# Altium PCB HeadControllerATMEL_1.PcbDoc
Units mm, origin at the board's own origin, x right, y up, seen from the top; angles counter-clockwise.
Board outline 67.02 x 26.21 mm, 2 copper layers (Top Layer, Bottom Layer); 64 components, 47 nets, 228 pads, 53 vias.
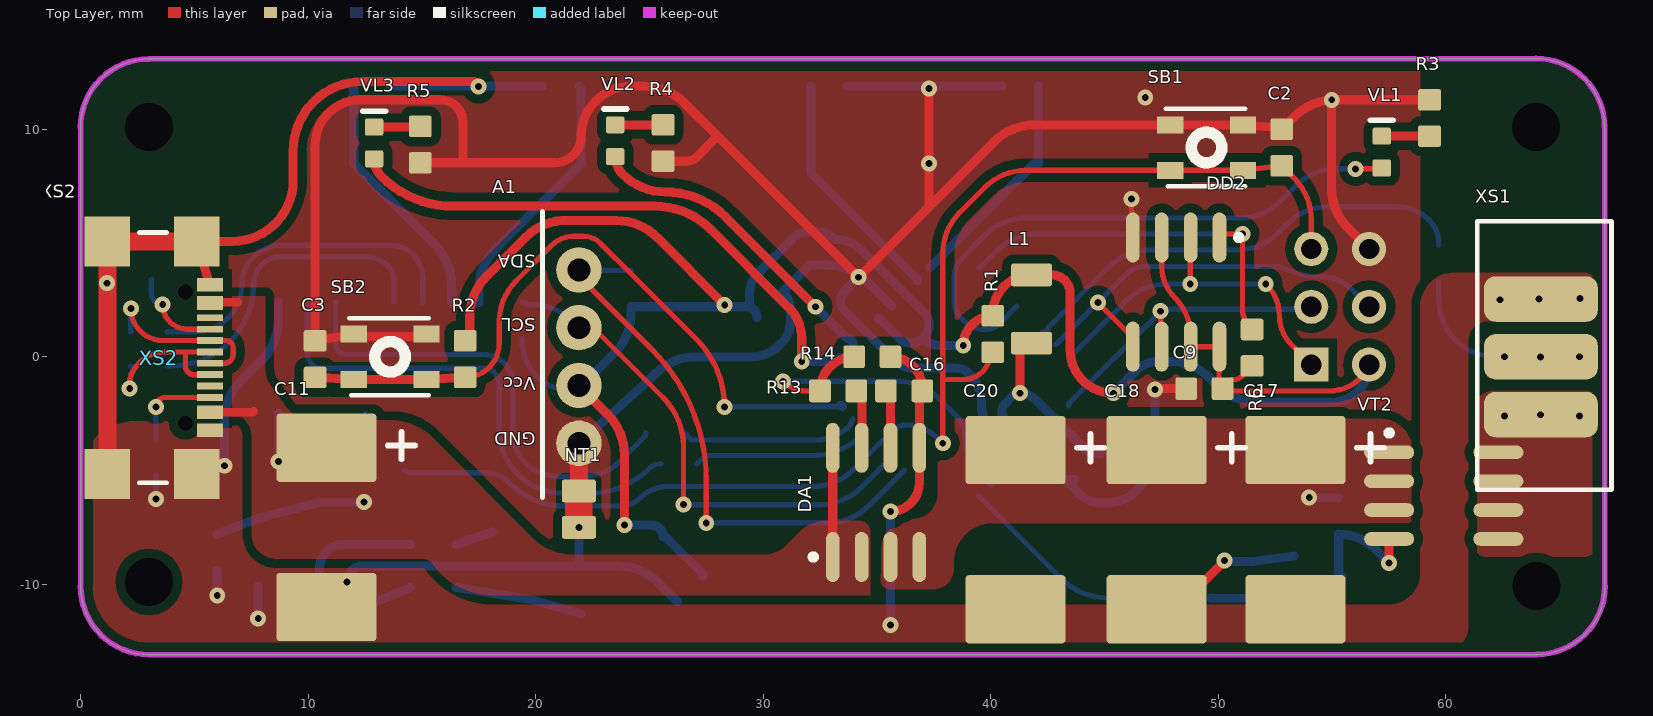
[diagram p0: Top Layer view]
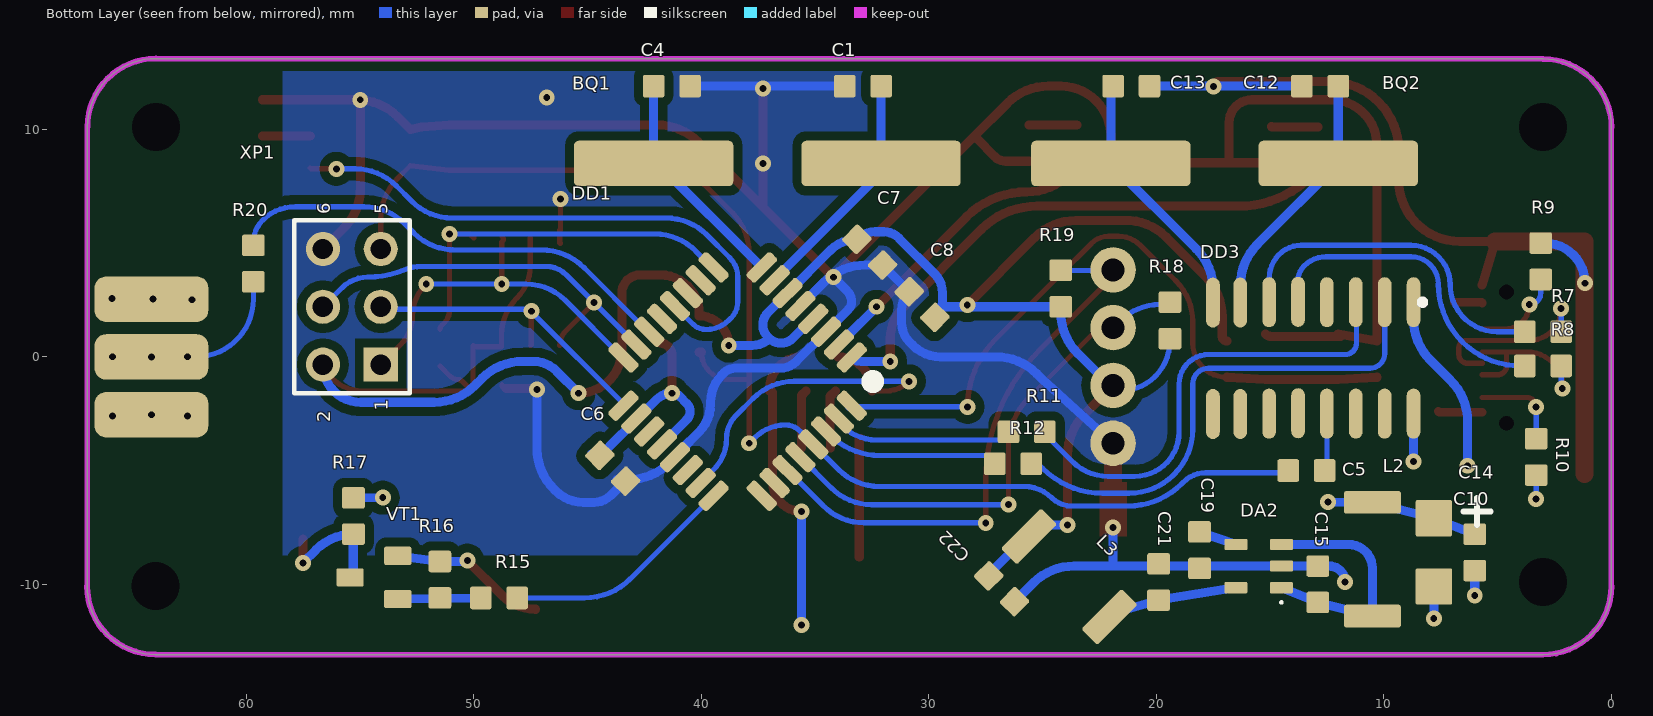
[diagram p1: Bottom Layer view, seen from below]
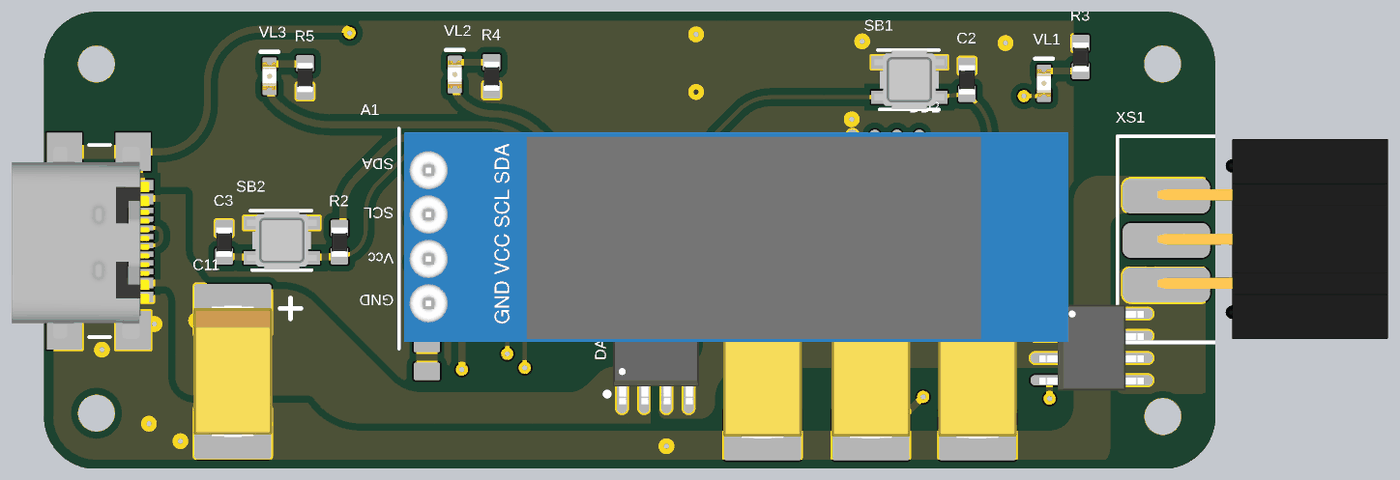
[diagram p2: 3D render of the assembled board from above, using the file's embedded part models]
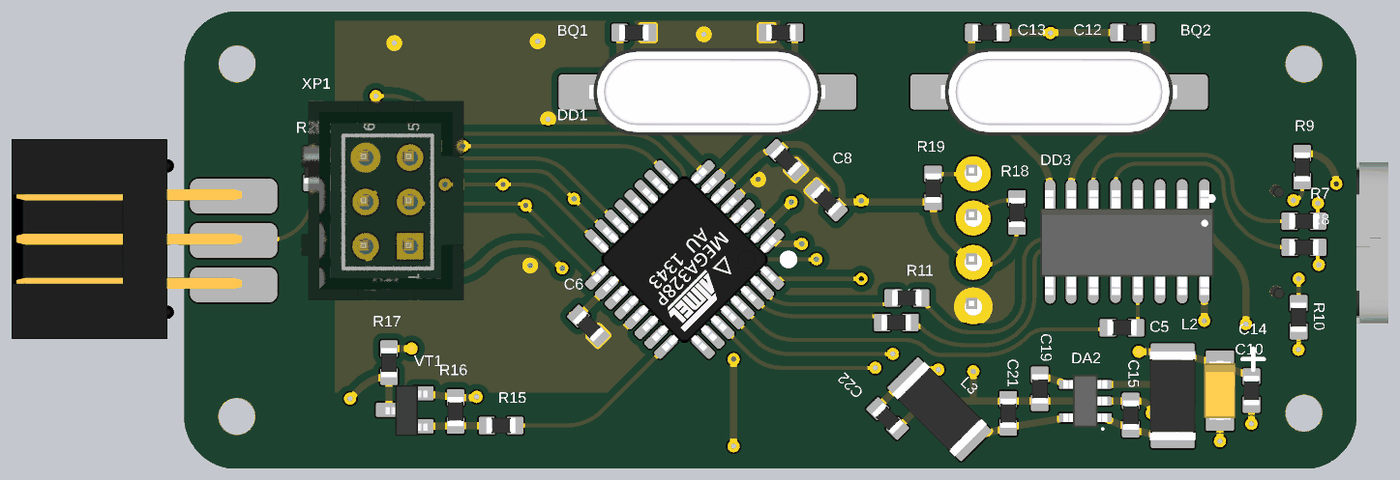
[diagram p3: 3D render of the assembled board from below, using the file's embedded part models]

## Layer stack, top to bottom
Top Solder: solder mask 0.0102, Solder Resist, Dk 3.5
Top Layer: signal copper 0.0356
Dielectric 1: dielectric 0.32, FR-4, Dk 4.8
Bottom Layer: signal copper 0.0356
Bottom Solder: solder mask 0.0102, Solder Resist, Dk 3.5

## Board outline
0,-10.088 0,10.088 -0.012,10.088 cw(c2.997,10.088) 2.997,13.097 2.997,13.103 63.985,13.103 63.985,13.115 cw(c63.985,10.106) 66.994,10.106 67,10.106 67,-10.082 67.012,-10.082 cw(c64.003,-10.082) 64.003,-13.091 63.997,-13.097 3,-13.097 cw(c3,-10.088)

## Design rules (kind name [scope] priority, off if disabled: settings)
Clearance [All] p1: gap=0.23 ignorepadtopadclearanceinfootprint=FALSE except(0.4: Arc-Poly Track-Poly SMDPad-Poly THPad-Poly Via-Poly Fill-Poly Poly-Poly)
PolygonConnect IDC [All] p1: connectstyle=Direct reliefconductorwidth=0.254 reliefentries=4 polygonreliefangle="90 Angle" airgapwidth=0.254
PolygonConnect USB [HasFootprint('USB_C')] p2: connectstyle=Direct reliefconductorwidth=0.254 reliefentries=4 polygonreliefangle="90 Angle" airgapwidth=0.254
PolygonConnect TECAP_D [HasFootprint('TANT_CAP_D(7343)')] p3: connectstyle=Direct reliefconductorwidth=0.254 reliefentries=4 polygonreliefangle="90 Angle" airgapwidth=0.254
PolygonConnect All [All] p4: thpad.connectstyle=Relief thpad.reliefconductorwidth=0.254 thpad.reliefentries=4 thpad.polygonreliefangle="90 Angle" thpad.airgapwidth=0.254 smdpad.connectstyle=Relief smdpad.reliefconductorwidth=0.254 smdpad.reliefentries=4 smdpad.polygonreliefangle="90 Angle" smdpad.airgapwidth=0.254 via.connectstyle=Direct via.reliefconductorwidth=0.254 via.reliefentries=4 via.polygonreliefangle="90 Angle" via.airgapwidth=0.254
RoutingVias [All] p1: holewidth=0.3 width=0.7 viastyle="Through Hole" minholewidth=0.3 minwidth=0.7 maxholewidth=0.3 maxwidth=0.7
SolderMaskExpansion [All] p1: expansion=0.102 istentingtop=FALSE
Width [All] p1: maxlimit=0.8 minlimit=0.23 preferedwidth=0.4
30 further rules are at their usual default settings.

## Classes and differential pairs
component class U_USB_UART: BQ2 C10 C11 C12 C13 DD3 R7 R8 R9 R10 R11 R12 XS2
component class U_power: C14 C15 C16 C17 C18 C19 C20 C21 C22 DA1 DA2 L2 L3 R13 R14 R15 R16 R17 VT1 VT2
component class U_MCU: A1 BQ1 C1 C2 C3 C4 C5 C6 C7 C8 C9 DD1 DD2 L1 R1 R2 R3 R4 R5 R6 R18 R19 R20 SB1 SB2 VL1 VL2 VL3 XP1
component class HeadController: NT1 XS1

## Components (designator, comment, footprint, x,y, rotation, side; value= is the part's Value field where it differs from the comment)
A1 "OLED 128x32 SSD1306" "OLED 128x32" 21.9,-3.8 r90 top locked
BQ1 "16МHz" BQ_HC49SM 37.1,8.5 r0 bottom
BQ2 "12МHz" BQ_HC49SM 17,8.5 r0 bottom
C1 "15pF" SMD0603(1005) 32.9,11.9 r180 bottom
C2 "0,1uF" SMD0603(1005) 52.8,9.2 r90 top
C3 "0,1uF" SMD0603(1005) 10.3,-0.1 r90 top
C4 "15pF" SMD0603(1005) 41.3,11.9 r0 bottom
C5 "0,1uF" SMD0603(1005) 13.4,-5 r180 bottom
C6 "0,1uF" SMD0603(1005) 43.9,-4.9 r225 bottom
C7 "0,1uF" SMD0603(1005) 32.6,4.6 r225 bottom
C8 "0,1uF" SMD0603(1005) 30.3,2.3 r225 bottom
C9 "1uF" SMD0603(1005) 49.4,-1.4 r180 top
C10 "0,1uF" SMD0603(1005) 6,-8.6 r90 bottom
C11 "100uF" TANT_CAP_D(7343) 10.8,-7.5 r270 top
C12 "22pF" SMD0603(1005) 12.8,11.9 r180 bottom
C13 "22pF" SMD0603(1005) 21.1,11.9 r0 bottom
C14 "10uF x 10V" TANT_CAP_A(3216) 7.8,-8.6 r270 bottom
C15 "1uF" SMD0603(1005) 12.9,-10 r90 bottom
C16 "1n" SMD0603(1005) 36.2,-1.5 r0 top
C17 "100uF" TANT_CAP_D(7343) 53.4,-7.6 r270 top
C18 "100uF" TANT_CAP_D(7343) 47.3,-7.6 r270 top
C19 "10n" SMD0603(1005) 18.1,-8.5 r270 bottom
C20 "100uF" TANT_CAP_D(7343) 41.1,-7.6 r270 top
C21 "1uF" SMD0603(1005) 19.9,-9.9 r90 bottom
C22 "0,1uF" SMD0603(1005) 26.8,-10.2 r225 bottom
DA1 "ACS712" SOIC8 35.005,-6.4 r90 top
DA2 "LP2985-50DBVR" SOT23-5 15.5,-9.2 r0 bottom
DD1 "ATMEGA328P" TQFP-32 38.408,-1.089 r315 bottom
DD2 "AT25640B" SOIC8 48.119,2.846 r270 top
DD3 "CH340G" SOIC16 8.69,0 r270 bottom
L1 "10мкГн  10%" SMD1206(3216) 41.8,2.1 r270 top
L2 "10мкГн  10%" SMD2010(5025) 10.5,-8.9 r270 bottom
L3 "10мкГн  10%" SMD2010(5025) 23.832,-9.668 r45 bottom
NT1 "=Value" NT 21.9,-6.7 r270 top net-tie
R1 "10k" SMD0603(1005) 40.1,1 r90 top
R2 "10k" SMD0603(1005) 16.9,-0.1 r90 top
R3 "470" SMD0603(1005) 59.3,10.5 r90 top
R4 "470" SMD0603(1005) 25.6,9.4 r270 top
R5 "470" SMD0603(1005) 14.929,9.33 r270 top
R6 "10k" SMD0603(1005) 51.5,0.4 r270 top
R7 "=4,7" SMD0603(1005) 3,1.1 r0 bottom value=4,7
R8 "=4,7" SMD0603(1005) 3,-0.4 r0 bottom value=4,7
R9 "5k" SMD0603(1005) 3.1,4.2 r270 bottom
R10 "5k" SMD0603(1005) 3.3,-4.4 r90 bottom
R11 "1k" SMD0603(1005) 25.7,-3.3 r180 bottom
R12 "1k" SMD0603(1005) 26.3,-4.7 r180 bottom
R13 "1k" SMD0603(1005) 33.3,-1.5 r180 top
R14 "1k" SMD0603(1005) 34.8,0 r0 top
R15 "=4,7" SMD0603(1005) 48.9,-10.6 r0 bottom value=4,7
R16 "10k" SMD0603(1005) 51.5,-9.8 r90 bottom
R17 "10k" SMD0603(1005) 55.3,-7 r90 bottom
R18 "10k" SMD0603(1005) 19.4,1.6 r90 bottom
R19 "10k" SMD0603(1005) 24.2,3 r90 bottom
R20 "=4,7" SMD0603(1005) 59.7,4.1 r270 bottom value=4,7
SB1 "IT-1184" IT-1184 49.5,9.2 r0 top
SB2 "IT-1184" IT-1184 13.6,0 r0 top
VL1 "TO-1608BC-PG" LED_SMD0603(1005) 57.2,9 r90 top
VL2 "TO-1608BC-PG" LED_SMD0603(1005) 23.5,9.5 r90 top
VL3 "TO-1608BC-PG" LED_SMD0603(1005) 12.9,9.4 r90 top
VT1 "Value" SOT23-3 54.4,-9.7 r0 bottom
VT2 "IRF7416TRPBF" VT_SOIC8 59.926,-6.143 r0 top
XP1 "BH-6" "IDC-6 (2.54)" 54.1,-0.34 r90 bottom
XS1 "IDC6" "IDC-6 (2.54) (end face)" 67.7,-2.54 r90 top
XS2 "USB-C" USB_C 2.64,0 r0 top

## Footprints (in the part's own frame and the unit in brackets; to place one, negate y for a bottom-side part, rotate by r counter-clockwise, add the part's x,y. Pads: shape width x height; smd on the part's side, far side on the other; paste and mask are expansions set on the pad)
BQ_HC49SM [mm]
  rrect20% 7x2 smd: 1(-5,0) 2(5,0)
  body extent -6.75,-2.5 6.75,2.5, height 4.3
"IDC-6 (2.54)" [mm]
  rect 1.5x1.5 hole 0.9: 1(0,0)
  round 1.5 hole 0.9: 2(0,2.54) 3(2.54,0) 4(2.54,2.54) 5(5.08,0) 6(5.08,2.54)
  silkscreen extent -1.27,-1.27 6.35,3.81, body extent -3.1,-3.07 8.33,6.2, height 9.27
"IDC-6 (2.54) (end face)" [mm]
  rrect50% 2x5 smd: 1(0,3.5) 3(2.54,3.5) 5(5.08,3.5)
  rrect50% 2x5 smd far side: 2(-0.005,3.519) 4(2.535,3.519) 6(5.075,3.519)
  silkscreen extent -3.3,0.4 8.5,6.3, body extent -3.1,-9.17 8.33,4, height 4.83
IT-1184 [mm]
  rect 1.15x0.75 smd: 1(-1.6,1) 1(1.6,1) 2(-1.6,-1) 2(1.6,-1)
  silkscreen extent -1.8,-1.7 1.7,1.7, body extent -2,-1.67 2,1.68, height 1.5
LED_SMD0603(1005) [mm] "Chip Resistor, Body 0.6x0.3mm, IPC Medium Density"
  rrect20% 0.75x0.8 smd: 1(-0.7,0) 2(0.7,0)
  silkscreen extent 1.4,-0.5 1.4,0.5, body extent -0.8,-0.4 0.8,0.4, height 0.55
NT [mm]
  rrect20% 1x1.5 smd: 1(-0.8,0) 2(0.8,0)
  Top Layer region: -1.2,-0.6 1.2,-0.6 1.2,0.6 -1.2,0.6
"OLED 128x32" [mm]
  round 2 hole 1: 1(0,0) 2(2.54,0) 3(5.08,0) 4(7.62,0)
  silkscreen extent -2.4,1.6 10.2,1.6, body extent -2,-36.7 10,1.3, height 5.5
SMD0603(1005) [mm] "Chip Resistor, Body 0.6x0.3mm, IPC Medium Density"
  rrect20% 0.95x1 smd: 1(-0.8,0) 2(0.8,0)
  body extent -0.85,-0.45 0.85,0.45, height 0.55
SMD1206(3216) [mm] "Chip Resistor, Body 0.6x0.3mm, IPC Medium Density"
  rrect20% 1x1.8 smd: 1(-1.5,0) 2(1.5,0)
  body extent -1.65,-0.85 1.65,0.85, height 0.65
SMD2010(5025) [mm] "Chip Resistor, Body 0.6x0.3mm, IPC Medium Density"
  rrect20% 1x2.5 smd: 1(-2.5,0) 2(2.5,0)
  body extent -2.55,-1.3 2.55,1.3, height 0.65
SOIC8 [mm]
  oval 2.2x0.6 smd: 1(-2.4,1.945) 2(-2.4,0.675) 3(-2.4,-0.595) 4(-2.4,-1.865) 5(2.4,-1.865) 6(2.4,-0.595) 7(2.4,0.675) 8(2.4,1.945)
  silkscreen extent -2.52,2.67 -2.28,2.92, body extent -2.99,-2.45 2.99,2.45, height 1.35
SOIC16 [mm]
  oval 2.2x0.6 smd: 1(-2.4,0) 2(-2.4,-1.27) 3(-2.4,-2.54) 4(-2.4,-3.81) 5(-2.418,-5.08) 6(-2.4,-6.35) 7(-2.384,-7.62) 8(-2.384,-8.82) 9(2.516,-8.82) 10(2.516,-7.62) 11(2.5,-6.35) 12(2.482,-5.08) 13(2.5,-3.81) 14(2.5,-2.54) 15(2.5,-1.27) 16(2.5,0)
  silkscreen extent -2.52,0.27 -2.28,0.52, body extent -2.86,-9.37 3.12,0.53, height 1.35
SOT23-3 [mm]
  rrect20% 1.2x0.8 smd: 1(-1.05,0.95) 2(-1.05,-0.95) 3(1.05,0)
  body extent -1.3,-1.4 1.1,1.5, height 1
SOT23-5 [mm]
  rrect20% 1x0.5 smd: 1(-1,0.95) 2(-1,0) 3(-1,-0.95) 4(1,-0.95) 5(1,0.95)
  silkscreen extent -1.05,1.55 -0.95,1.65, body extent -1.25,-1.5 1.25,1.5, height 1.1
TANT_CAP_A(3216) [mm]
  rrect10% 1.6x1.6 smd: 1(-1.5,0) 2(1.5,0)
  silkscreen extent -2.4,1.3 -1.2,2.5, body extent -1.7,-0.9 1.7,0.9, height 1.8
TANT_CAP_D(7343) [mm]
  rrect10% 3x4.4 smd: 1(-3.5,0) 2(3.5,0)
  silkscreen extent -4.2,2.7 -3,3.9, body extent -3.75,-2.25 3.75,2.25, height 3.1
TQFP-32 [mm]
  rrect50% 1.5x0.55 smd: 1(-4.3,2.8) 2(-4.3,2) 3(-4.3,1.2) 4(-4.3,0.4) 5(-4.3,-0.4) 6(-4.3,-1.2) 7(-4.3,-2) 8(-4.3,-2.8) 17(4.3,-2.8) 18(4.3,-2) 19(4.3,-1.2) 20(4.3,-0.4) 21(4.3,0.4) 22(4.3,1.2) 23(4.3,2) 24(4.3,2.8)
  rrect50% 0.55x1.5 smd: 9(-2.8,-4.3) 10(-2,-4.3) 11(-1.2,-4.3) 12(-0.4,-4.3) 13(0.4,-4.3) 14(1.2,-4.3) 15(2,-4.3) 16(2.8,-4.3) 25(2.8,4.3) 26(2,4.3) 27(1.2,4.3) 28(0.4,4.3) 29(-0.4,4.3) 30(-1.2,4.3) 31(-2,4.3) 32(-2.8,4.3)
  silkscreen extent -4.45,3.95 -3.95,4.45, body extent -4.5,-4.5 4.5,4.5, height 1
USB_C [mm]
  round 0 hole 0.65: 0(1.96,-2.925) 0(1.96,2.855)
  rect 2x2.2 smd: 1(-1.47,-5.145) 1(-1.47,5.075) 1(2.46,-5.145) 1(2.46,5.075)
  rect 1.15x0.6 smd: 1(3.035,3.165) 2(3.035,2.365) 11(3.035,-2.435) 12(3.035,-3.235)
  rect 1.15x0.3 smd: 3(3.035,1.715) 4(3.035,1.215) 5(3.035,0.715) 6(3.035,0.215) 7(3.035,-0.285) 8(3.035,-0.785) 9(3.035,-1.285) 10(3.035,-1.785)
  silkscreen extent -0.07,-5.53 1.13,5.47, body extent -4.47,-5.63 3.38,5.37, height 3.2
VT_SOIC8 [mm]
  oval 2.2x0.6 smd: 1(-2.4,-0.595) 1(-2.4,0.675) 1(-2.4,1.945) 2(-2.4,-1.865) 3(2.4,-1.865) 3(2.4,-0.595) 3(2.4,0.675) 3(2.4,1.945)
  silkscreen extent -2.52,2.67 -2.27,2.92, body extent -2.99,-2.45 2.99,2.45, height 1.35

## Part data
A1: library part OLED, ValueBOM="Дисплей OLED-дисплей 0.91-дюймовый, белый, ЖК дисплей 128 * 32, на SSD1306, модуль для Arduino, интерфейс I2C IIC", Type=A
BQ1: Package=HC49SM, ValueBOM="Кварцевый резонатор 16МГц HC49S", Type=BQ
BQ2: Package=HC49SM, ValueBOM="Кварцевый резонатор 12МГц HC49S", Type=BQ
C1 C4: Package=SMD0603, ValueBOM="Конденсатор керамический 15пФ SMD 0603 1%", Type=C
C2 C3 C5 C6 C7 C8 C10 C22: Package=SMD0603, ValueBOM="Конденсатор керамический 0,1мкФ SMD 0603 1%", Type=C
C9 C15 C21: Package=SMD0603, ValueBOM="Конденсатор керамический 1мкФ SMD 0603 1%", Type=C
C11 C17 C18 C20: Package="SMD D", ValueBOM="Конденсатор танталовый 100мкФ х 16В 10%  SMD D", Type=C
C12 C13: Package=SMD0603, ValueBOM="Конденсатор керамический 22пФ SMD 0603 1%", Type=C
C14: Package="SMD A", ValueBOM="Конденсатор танталовый 10мкФ х 10В SMD A", Type=C
C16: library part CER_CUP_0603, Package=SMD0603, ValueBOM="Конденсатор керамический 1нФ х 50В SMD 0603 1%", Type=C
C19: library part CER_CUP_0603, Package=SMD0603, ValueBOM="Конденсатор керамический 10нФ х 50В SMD 0603 1%", Type=C
DA1: library part "Микросхема ACS712", Type=DA, ValueBOM="Микросхема ACS712"
DA2: library part LD3985M33R, Package=SOT-23-5, ValueBOM="Микросхема LP2985-50DBVR, SOT-23-5", Type=DA
DD1: library part ATMEGA168V-10AU, "Microcontroller", Package=TQFP-32, Package Description="JEDEC reference MS-026, Variation ABA", ValueBOM="Микроконтроллер ATMEGA328P", GlobalLink=ATMEGA168V-10AU, Type=DD, Vendor=Atmel, Vendor P/N=ATMEGA168V-10AU
DD2: library part "Микросхема AT25640B", Package=SOIC-8, ValueBOM="Микросхема EEPROM AT25640B", Type=DD
DD3: library part "Микросхема CH340G", Package=SOIC-8, Type=DD, ValueBOM="Микросхема CH340G"
L1: library part L1, Package=SMD1206, ValueBOM="Индуктивность 10 мкГн, SMD1206, 10%", Type=L
L2 L3: library part L1, Package=SMD1812, ValueBOM="Индуктивность B82432-C1103-K, 10 мкГн, SMD1812, 10%", Type=L
R1 R2 R6 R16 R17 R18 R19: Package=SMD0603, ValueBOM="Резистор 10кОм SMD 0603 1%", Type=R
R3 R4 R5: Package=SMD0603, ValueBOM="Резистор 470 Ом SMD 0603 1%", Type=R
R7 R8 R15 R20: Package=SMD0603, ValueBOM="Резистор 4,7Ом SMD 0603 1%", Type=R
R9 R10: Package=SMD0603, ValueBOM="Резистор 5кОм SMD 0603 1%", Type=R
R11 R12 R13 R14: Package=SMD0603, ValueBOM="Резистор 1кОм SMD 0603 1%", Type=R
SB1 SB2: library part "Кнопка тактовая (универсальная)", Package="SMD 3.3x3.3x1.5", ValueBOM="Кнопка тактовая IT1184", Type=SB
VL1 VL2 VL3: Package=SMD0603, ValueBOM="Светодиод зелёный TO-1608BC-PG SMD0603", Light=Зелёный, Type=VL
VT1: library part VT_N_MOSFET_SOT23_3, Package=SOT-23, ValueBOM="Транзистор n-МОП Value SOT23", Type=VT
VT2: library part "Транзистор IRF7416TRPBF", Package=SOIC-8, ValueBOM="Транзистор p-МОП IRF7416TRPBF, SOIC-8", Type=VT
XP1: library part ISP_HEADER, Package=DIL-6, ValueBOM="Разъем BH-6 вилка 6 контактов (2х3), на плату, шаг 2.54мм", GlobalLink=ISP_HEADER, Type=XP
XS1: Package=2,54mm, ValueBOM="Разъём IDC6 прямой", Type=XS
XS2: library part USB_C, Package="12 pin", ValueBOM="Разъём USB type C 12 контактный", Link=https://www.voltmaster-samara.ru/upload/iblock/68a/68a6841d20080b30588d6f36d0bc1a38.pdf, Type=XS

## Free pads (board coordinates)
  round 1.524 hole 2.1: 21(3,-9.897) 21(3,10.103) 21(63.985,10.106) 21(64.003,-10.082)

## Via types
v1: diameter 0.7, hole 0.3, Top Layer to Bottom Layer, 53 vias

## Nets (pads, with @x,y where several pads share a name; then routed paths per layer and width w, separated by ;. In a path a pad name is that pad's centre, name@x,y a point inside that pad or via, vN(x,y) a via of type N, cw(c..) or ccw(c..) an arc to the next point about the centre after c; other vN are vias at no path point)
button: C3.1 DD1.32 R2.1 SB2.2 | length 31.2
  Top Layer w0.23: R2.1 ccw(c16.9,0.6) 18.4,0.6 18.4,1.548 cw(c20.94,1.548) 19.144,3.344 20.7,4.9 cw(c21.666,3.934) 21.666,5.3 22.1,5.3 cw(c22.1,4.236) 22.852,4.988 24.279,3.562 27.069,0.771 cw(c24.098,-2.2) v1(28.3,-2.2)
  Top Layer w0.4: C3.1 12,-1 SB2.2@15,-1 ; SB2.2@15.2,-1 SB2.2@15,-1 ; R2.1 15.199,-0.99 SB2.2@15,-1
  Bottom Layer w0.23: v1(28.3,-2.2) 33.485,-2.2 DD1.32@33.485,-2.186
  Bottom Layer w0.4: DD1.32 cw(c33.388,-2.3) DD1.32@33.485,-2.186
CS: DD1.9 DD2.1 R6.1 | length 17.7
  Top Layer w0.23: DD2.1@50.04,5.3 ccw(c50.122,5.218) 50.006,5.218 50.191,5.403 v1(51.078,5.403) 51.078,2.037 ccw(c51.837,2.037) 51.3,1.5 R6.1@51.429,1.371 ; R6.1@51.43,1.37 cw(c51.259,1.2) R6.1
  Bottom Layer w0.23: DD1.9 ccw(c39.469,4.083) 39.576,3.976 40.256,4.656 cw(c42.052,2.86) 42.052,5.4 v1@51.1,5.4
DATA: DD1.14 R20.1 | length 20.4
  Bottom Layer w0.23: DD1.14 42.403,1.103 ccw(c42.403,1.2) 42.472,1.131 ccw(c42.3,1.303) 42.543,1.303 45.153,3.914 cw(c47.052,2.015) 47.052,4.7 50.848,4.7 ccw(c50.848,7.24) 51.05,4.708 ccw(c51.078,5.403) 51.275,4.736 ccw(c50.848,7.24) 52.644,5.444 53.056,5.856 cw(c54.852,4.06) 54.852,6.6 57.851,6.6 cw(c57.851,4.551) 59.3,6 cw(c58.334,5.034) 59.7,5.034 R20.1
GND: C10.1 C11.2 C12.1 C13.1 C14.2 C15.2 C16.2 C17.2 C18.2 C19.2 C20.2 C21.2 C22.2 DA1.5 DA2.2 DD3.1 NT1.2 R9.1 R10.1 R14.2 R16.2 VT1.2 XS1.5 XS1.6 XS2.1 XS2.12 | length 91.7
  Top Layer w0.4: XS2.1@5.675,3.165 5.1,5.075 6.66,5.075 ccw(c6.66,7.754) 9.339,7.754 9.339,9.054 cw(c12.385,9.054) 12.385,12.1 17.265,12.1 cw(c17.265,11.88) v1(17.484,11.88) ; v1(35.6,-6.8) ccw(c35.6,-5.53) 36.87,-5.53 DA1.5 36.87,-1.63 cw(c37,-1.63) C16.2 37,-1.4 ccw(c35.6,-1.4) R14.2 ; C18.2 ccw(c47.3,-9.038) 48.758,-10.496 v1(50.292,-8.962)
  Top Layer w0.8: XS2.1@1.17,-5.145 XS2.1@1.17,5.075 ; XS2.1@1.3,5.075 XS2.1@5.1,5.075
  Bottom Layer w0.23: R10.1 3.3,-6.103 cw(c3.224,-6.103) 3.224,-6.178 3.302,-6.256 v1(3.312,-6.256)
  Bottom Layer w0.4: v1(1.152,3.238) cw(c2.915,3.238) 2.915,5 R9.1 ; v1(6,-10.5) C10.1 ; v1(6.315,-4.789) 6.315,-2.837 cw(c8.855,-2.837) 7.059,-1.041 7.946,-0.154 ccw(c6.15,1.642) 8.69,1.642 DD3.1 ; v1(7.8,-11.5) C14.2 ; v1(11.7,-9.9) cw(c12.4,-9.9) 12.4,-9.2 C15.2 DA2.2 23.617,-9.2 cw(c23.617,-11.74) 25.413,-9.944 C22.2 ; C12.1 v1@17.484,11.9 ; v1(17.484,11.88) v1@17.484,11.9 ; C13.1 v1@17.484,11.9 ; 21.9,-9.1 v1(21.9,-7.5) ; v1(35.6,-6.8) 35.6,-11.787 v1(35.605,-11.787) ; v1(50.292,-8.962) ccw(c50.385,-8.869) 50.385,-9 R16.2 VT1.2
  other v1: 62.396,2.511 64.11,2.546 65.91,2.563
LED1: DD1.12 VL1.1 | length 25.6
  Top Layer w0.23: v1(56.051,8.264) 57.113,8.264 ccw(c57.113,8.387) VL1.1
  Bottom Layer w0.23: DD1.12 40.366,1.434 cw(c39.8,2) 39.8,1.2 cw(c39.8,2.649) 38.776,1.624 38.7,1.7 cw(c39.424,2.424) 38.4,2.424 38.4,3.5 cw(c39.607,3.5) 38.754,4.354 39.756,5.356 cw(c41.552,3.56) 41.552,6.1 50.948,6.1 ccw(c50.948,8.64) 52.744,6.844 53.42,7.52 cw(c55.216,5.724) 55.216,8.264 v1(56.051,8.264)
LED2: DD1.2 VL2.1 | length 13.9
  Top Layer w0.4: VL2.1 ccw(c24.588,8.8) 23.819,8.03 ccw(c25.709,9.921) 25.709,7.247 cw(c25.709,3.521) 28.344,6.156 v1(32.3,2.2)
  Bottom Layer w0.4: v1(32.3,2.2) 33.629,0.871 ccw(c33.8,1.041) 33.8,0.8 33.876,0.724 cw(c33.689,0.537) DD1.2
LED3: DD1.1 VL3.1 | length 25.1
  Top Layer w0.4: VL3.1 ccw(c13.988,8.7) 13.219,7.931 ccw(c16.379,11.092) 16.379,6.622 25.241,6.622 cw(c25.241,3.151) 27.695,5.605 31.134,2.166 cw(c29.769,0.8) 31.7,0.8 v1(31.7,-0.2)
  Bottom Layer w0.4: v1(31.7,-0.2) 32.973,-0.2 ccw(c32.973,0.386) DD1.1
M_ON/OFF: DD1.24 R15.1 | length 10.4
  Bottom Layer w0.23: DD1.24 43.116,-9.756 ccw(c45.152,-7.72) 45.152,-10.6 R15.1
MCU_AVCC: C6.1 DD1.18 DD1.20 L1.2 | length 10.2
  Top Layer w0.4: v1(41.3,-1.6) 41.3,0.1 cw(c41.8,0.1) L1.2
  Bottom Layer w0.4: DD1.20 40.652,-2.768 cw(c41.02,-2.4) 40.5,-2.4 cw(c40.983,-2.4) 40.641,-2.059 40.959,-1.741 cw(c41.3,-2.083) v1(41.3,-1.6) cw(c41.3,-2.566) 41.983,-1.883 42.782,-2.682 cw(c42.782,-2.796) DD1.18 ccw(c42.977,-2.715) 42.896,-2.796 44.041,-3.941 ccw(c44.831,-3.151) C6.1@44.831,-4.269
MCU_GND: A1.1 C1.1 C2.2 C3.2 C4.1 C6.2 C7.2 C8.1 C9.2 DD1.3 DD1.5 DD1.21 DD2.4 NT1.1 R3.2 R4.2 R5.2 SB1.1 SB2.1 XP1.6 | length 147.1
  Top Layer w0.23: DD2.4@46.2,4.984 cw(c46.23,4.984) 46.23,5.014 46.23,5.3 46.23,5.528 ccw(c46.128,5.528) 46.2,5.6 46.2,6.935 v1(46.203,6.938) ; C9.2 ccw(c48.6,-1.23) C9.2@48.77,-1.23
  Top Layer w0.4: R5.2 16.8,8.53 ; SB2.1@15.2,1 cw(c14.959,1.241) 14.959,0.9 11.9,0.9 12,1 C3.2 10.3,9.3 cw(c12.3,9.3) 12.3,11.3 15.8,11.3 cw(c15.8,10.3) 16.8,10.3 16.8,8.53 ; R4.2 26.617,8.6 ccw(c26.617,9.283) 27.1,8.8 27.879,9.579 cw(c28.05,9.409) 28.05,9.65 ; 37.3,6.6 v1(37.3,11.8) ; v1(47.233,-1.436) cw(c47.321,-1.524) 47.321,-1.4 C9.2 ; v1@54.988,11.265 54.988,7.444 ccw(c57.528,7.444) 55.732,5.648 XP1.6 ; R3.2 55.152,11.3 ccw(c55.152,8.76) 53.356,10.556 C2.2 52.3,10.1 51.1,10.2 47.9,10.2 41.952,10.2 ccw(c41.952,7.66) 40.156,9.456 v1(34.2,3.5) 28.05,9.65 ; 16.8,8.53 20.83,8.53 ccw(c20.83,9.7) 22,9.7 cw(c24.2,9.7) 24.2,11.9 24.748,11.9 cw(c24.748,9.36) 26.544,11.156 28.05,9.65
  Top Layer w0.8: NT1.1@21.8,-5.9 ccw(c21.8,-5.8) 21.9,-5.8 A1.1
  Bottom Layer w0.23: C6.2 ccw(c43.334,-5.339) 43.424,-5.429 C6.2@43.453,-5.4
  Bottom Layer w0.4: A1.1 25,-1 25.256,-0.744 cw(c27.052,-2.54) 27.052,0 29.493,0 ccw(c29.493,1.707) 30.7,0.5 30.846,0.646 ccw(c29.993,1.5) 31.2,1.5 31.2,2.059 ccw(c30.059,2.059) C8.1 C7.2 32.798,4.034 cw(c32.798,1.494) v1@34.37,3.489 ; C1.1 C4.1 ; DD1.5 34.594,3.29 ccw(c32.798,1.494) v1@34.37,3.489 ; C6.2 cw(c43.334,-5.541) 43.388,-5.488 44,-6.1 ccw(c44.724,-5.376) 44.724,-6.4 45.193,-6.4 ccw(c45.193,-4.693) 46.4,-5.9 46.489,-5.811 ccw(c44.693,-4.015) 47.233,-4.015 v1(47.233,-1.436) ; C6.2@43.334,-5.4 43.205,-5.4 cw(c43.205,-2.86) 41.409,-4.656 DD1.21 40.91,-4.157 ccw(c40.797,-4.157) 40.877,-4.077 40.1,-3.3 cw(c41.307,-2.093) 39.6,-2.093 39.6,-2 ccw(c37.91,-2) 39.105,-0.805 39,-0.7 ccw(c38.517,-1.183) 38.517,-0.5 36.545,-0.5 cw(c36.545,0.522) 35.823,-0.201 DD1.3 33.526,2.096 cw(c33.83,2.4) 33.4,2.4 33.4,2.417 cw(c34.083,2.417) 33.6,2.9 34.061,3.361 cw(c34.37,3.052) v1@34.37,3.489 ; C6.2@43.453,-5.4 C6.2@43.7,-5.4
  other v1: 37.3,8.5 55,11.3 46.8,11.4
MCU_VCC: A1.2 C7.1 C8.2 C9.1 C22.1 DD1.4 DD1.6 DD2.3 DD2.7 DD2.8 L1.1 L3.2 R1.2 R2.2 R6.2 R18.1 R19.1 XP1.2 | length 101
  Top Layer w0.23: DD2.3 47.524,3.99 ccw(c49.49,3.99) 48.1,2.6 cw(c46.423,0.923) 48.794,0.923 DD2.7 49.909,0.446 ccw(c49.909,0.631) 50.04,0.5 50.04,-1.24 ccw(c50.2,-1.24) C9.1 ; R6.2 51.041,-0.859 cw(c50.7,-0.517) 50.7,-1 ccw(c50.7,-1.241) 50.529,-1.071 C9.1 ; XP1.2 56.456,-0.524 ccw(c56.831,-0.9) 56.3,-0.9 56.266,-0.934 cw(c54.9,0.431) 54.9,-1.5 50.441,-1.5 cw(c50.441,-1.159) C9.1
  Top Layer w0.4: R2.2 ccw(c16.9,0.9) 17.1,0.9 17.1,1.748 cw(c19.64,1.748) 17.844,3.544 19.556,5.256 cw(c21.352,3.46) 21.147,5.992 23.542,5.992 cw(c23.542,3.452) 25.338,5.248 v1(28.31,2.275) ; A1.2 23.156,-2.516 cw(c21.36,-4.312) 23.9,-4.312 v1(23.9,-7.4) ; v1(38.8,0.5) cw(c40.1,0.5) R1.2 40.1,1.9 cw(c41.8,1.9) L1.1 42.7,3.6 cw(c42.7,2.8) 43.5,2.8 43.5,0.3 ccw(c45.4,0.3) v1(45.4,-1.6)
  Bottom Layer w0.23: R18.1 19.4,0.7 ccw(c21.6,0.7) 21.6,-1.5 21.798,-1.302 cw(c21.9,-1.405) A1.2
  Bottom Layer w0.4: A1.2@21.9,-1.405 23.456,0.151 ccw(c21.66,1.947) 24.2,1.947 R19.1 29.269,2.2 cw(c29.269,1.734) C8.2@29.467,2.156 ; v1(23.9,-7.4) 25.1,-7.4 cw(c25.1,-7.9) L3.2 cw(c25.6,-8.141) 25.771,-7.971 27.317,-9.517 cw(c27.2,-9.634) C22.1 ; C8.2 ccw(c29.269,1.734) C8.2@29.467,2.156 ; DD1.4 cw(c35.123,1.669) 35.096,1.696 35.1,1.7 35.988,0.812 ccw(c36.5,1.324) 36.5,0.6 ccw(c36.5,1.324) 37.012,0.812 ; v1(38.8,0.5) 37.766,0.5 cw(c37.766,1.566) 37.012,0.812 ; v1(45.4,-1.6) 46.376,-0.624 cw(c47.4,-1.649) 47.4,-0.2 47.848,-0.2 cw(c47.848,-2.74) 49.644,-0.944 49.956,-1.256 ccw(c51.752,0.54) 51.752,-2 54.98,-2 ccw(c54.98,-0.34) XP1.2 ; C8.2@29.467,2.156 cw(c30.541,2.541) 29.4,2.541 29.4,2.8 cw(c30.607,2.8) 29.754,3.654 31.317,5.217 cw(c32,4.534) 32,5.5 32.359,5.5 cw(c32.359,4.359) C7.1 cw(c33.166,3.513) 34.334,4.682 DD1.6 37.077,1.939 cw(c36.537,1.4) 37.3,1.4 37.3,1.383 cw(c36.617,1.383) 37.1,0.9 37.012,0.812
  Bottom Layer w0.8: A1.2@21.9,-1.405 A1.2
MISO: DD1.16 DD2.2 XP1.1 | length 16.3
  Top Layer w0.23: DD2.2@48.77,5.3 ccw(c48.939,5.131) 48.7,5.131 48.781,5.05 v1(48.781,3.203) v1@48.797,3.203 ; v1(52.1,3.2) 52.134,3.166 cw(c50.769,1.8) 52.7,1.8 ccw(c54.487,1.8) 53.223,0.537 XP1.1
  Bottom Layer w0.23: DD1.16 43.479,-0.028 45.999,2.492 cw(c47.709,0.781) 47.709,3.2 47.712,3.203 v1(48.781,3.203) 52.097,3.203 v1(52.1,3.2)
MOSI: DD1.15 DD2.5 XP1.4 | length 18.2
  Top Layer w0.23: v1(44.727,2.381) 44.719,2.381 44.688,2.412 45.968,1.132 cw(c45.337,0.5) DD2.5@46.23,0.5
  Bottom Layer w0.23: DD1.15 42.883,0.537 v1(44.727,2.381) 45.962,3.616 cw(c46.825,2.753) 46.825,3.973 52.311,3.973 cw(c52.311,1.969) 53.078,3.821 ccw(c54.673,7.671) 54.673,3.504 cw(c54.673,1.902) 55.806,3.034 XP1.4
NetBQ2_1: BQ2.1 C12.2 DD3.7 | length 11.2
  Bottom Layer w0.4: C12.2 BQ2.1 15.556,4.944 cw(c13.76,3.148) 16.3,3.148 16.3,2.9 cw(c16.276,2.876) 16.31,2.876 DD3.7
NetBQ2_2: BQ2.2 C13.2 DD3.8 | length 11.3
  Bottom Layer w0.381: DD3.8@17.5,2.7 17.51,2.69 DD3.8
  Bottom Layer w0.4: DD3.8@17.5,2.7 17.5,2.948 cw(c20.04,2.948) 18.244,4.744 BQ2.2 22,11.659 ccw(c21.659,11.659) C13.2
NetC5_2: C5.2 DD3.13 | length 2.6
  Bottom Layer w0.23: DD3.13 12.5,-4.9 ccw(c12.6,-4.9) C5.2
NetC15_1: C15.1 DA2.1 DA2.3 L2.2 | length 10.9
  Bottom Layer w0.4: DA2.1 C15.1 L2.2 10.5,-9.3 cw(c11.55,-9.3) 11.55,-8.25 DA2.3
NetC16_1: C16.1 DA1.6 | length 2.6
  Top Layer w0.4: C16.1 35.6,-1.7 DA1.6
NetC17_1: C17.1 C18.1 C20.1 DA1.3 DA1.4 R17.2 VT2.1 | length 1.3
  Bottom Layer w0.4: v1(54.01,-6.192) R17.2
NetC19_1: C19.1 DA2.4 | length 1.7
  Bottom Layer w0.4: DA2.4 C19.1
NetC21_1: C21.1 DA2.5 L3.1 | length 5.6
  Bottom Layer w0.4: DA2.5 C21.1 L3.1@22,-11.3
NetDA1_7: DA1.7 R13.1 | length 2.7
  Top Layer w0.4: R13.1 34.347,-1.747 34.347,-3.347 34.4,-3.4 34.33,-3.47 DA1.7
NetDD1_23: DD1.23 R13.2 R14.1 | length 15.7
  Top Layer w0.23: v1(30.87,-1.079) ccw(c31.886,-0.063) 31.886,-1.5 R13.2
  Top Layer w0.4: R13.2 cw(c34,-1.5) R14.1
  Bottom Layer w0.23: v1(30.87,-1.079) 35.927,-1.079 cw(c35.927,-3.619) 37.723,-1.823 38.476,-2.576 cw(c37.451,-3.6) 38.9,-3.6 ccw(c40.831,-3.6) 39.466,-4.966 DD1.23@39.7,-5.2
  Bottom Layer w0.4: DD1.23@39.7,-5.2 40.034,-5.534 DD1.23
NetDD1_30: DD1.30 R12.1 | length 7.9
  Bottom Layer w0.23: R12.1 27.459,-4.341 32.143,-4.341 ccw(c32.143,-1.164) 34.39,-3.41 DD1.30
NetDD1_31: DD1.31 R11.1 | length 8
  Bottom Layer w0.23: R11.1 26.857,-3.657 32.296,-3.657 ccw(c32.296,-1.493) 33.826,-3.023 DD1.31
NetDD3_2: DD3.2 R12.2 | length 22.5
  Bottom Layer w0.23: DD3.2 9.96,0.14 ccw(c10.6,0.14) 10.6,-0.5 17.7,-0.5 cw(c17.7,-1.2) 18.4,-1.2 18.4,-3.194 ccw(c21.206,-3.194) 21.206,-6 22.361,-6 ccw(c22.361,-2.285) 24.988,-4.912 cw(c25.5,-5.424) R12.2
NetDD3_3: DD3.3 R11.2 | length 20.4
  Bottom Layer w0.23: DD3.3 ccw(c11.23,2.37) 11.2,2.37 11.2,0.6 ccw(c11.7,0.6) 11.7,0.1 17.7,0.1 cw(c17.7,-1.2) 19,-1.2 19,-3.3 ccw(c20.957,-3.3) 20.957,-5.257 22.114,-5.257 ccw(c22.114,-3.014) 23.7,-4.6 24.772,-3.528 ccw(c24.602,-3.357) R11.2@24.843,-3.357
NetDD3_5: DD3.5 R8.2 | length 14.2
  Bottom Layer w0.23: R8.2 4,-0.4 ccw(c4,3.2) 7.6,3.2 cw(c8.8,3.2) 8.8,4.4 12.534,4.4 cw(c12.534,3.034) 13.5,4 cw(c12.848,3.348) 13.77,3.348 DD3.5
NetDD3_6: DD3.6 R7.2 | length 15.3
  Bottom Layer w0.23: R7.2 5.008,1.1 ccw(c5.008,3.173) 7.081,3.173 cw(c8.813,3.173) 8.813,4.905 13.623,4.905 cw(c13.623,3.523) 14.6,4.5 cw(c13.538,3.438) 15.04,3.438 DD3.6
NetR3_1: R3.1 VL1.2 | length 2.1
  Top Layer w0.4: VL1.2 R3.1
NetR4_1: R4.1 VL2.2 | length 2.1
  Top Layer w0.4: VL2.2 R4.1
NetR5_1: R5.1 VL3.2 | length 2
  Top Layer w0.4: VL3.2 14.898,10.1 ccw(c14.898,10.13) R5.1
NetR7_1: R7.1 XS2.5 XS2.7 | length 8.1
  Top Layer w0.23: v1(2.202,2.127) ccw(c3.614,2.127) 3.614,0.715 XS2.5 6.385,0.715 cw(c6.385,0.4) 6.7,0.4 6.7,0.1 cw(c6.315,0.1) 6.315,-0.285 XS2.7 XS2.7@5.677,-0.287
  Bottom Layer w0.23: R7.1 2.2,2.127 v1(2.202,2.127)
NetR8_1: R8.1 XS2.6 XS2.8 | length 7.6
  Top Layer w0.23: v1(2.15,-1.4) 2.1,-1.4 cw(c3.715,-1.4) 3.715,0.215 4.6,0.215 ; XS2.8 5.437,-0.785 ccw(c5.437,-0.837) 5.415,-0.79 4.99,-0.79 cw(c4.99,-0.4) 4.6,-0.4 4.6,0.215 ; XS2.6 4.6,0.215
  Bottom Layer w0.23: v1(2.15,-1.4) 2.1,-1.4 ccw(c2.1,-1.299) 2.201,-1.299 2.201,-0.738 2.299,-0.639 ccw(c1.961,-0.639) R8.1
NetR9_2: R9.2 XS2.4 | length 4.3
  Top Layer w0.23: v1@3.6,2.075 v1(3.6,2.3) ccw(c4.685,2.3) 4.685,1.215 XS2.4
  Bottom Layer w0.23: R9.2@3.105,3.395 R9.2 3.1,2.8 ccw(c3.6,2.8) v1(3.6,2.3)
NetR10_2: R10.2 XS2.10 | length 4
  Top Layer w0.23: v1(3.3,-2.2) cw(c3.71,-2.2) 3.71,-1.79 5.4,-1.79 5.4,-1.785 XS2.10
  Bottom Layer w0.23: R10.2 v1(3.3,-2.2)
NetR15_2: R15.2 R16.1 VT1.1 | length 3.7
  Bottom Layer w0.4: R15.2 51.5,-10.625 VT1.1
NetR17_1: R17.1 VT1.3 VT2.2 | length 5.7
  Top Layer w0.4: v1(57.524,-9.062) VT2.2
  Bottom Layer w0.4: VT1.3 55.308,-9.558 55.308,-7.819 ccw(c55.281,-7.819) R17.1 cw(c55.3,-10.122) 56.942,-8.48 v1(57.524,-9.062)
NetR20_2: R20.2 XS1.3 XS1.4 | length 6.7
  Bottom Layer w0.23: R20.2 59.7,2.535 ccw(c62.24,2.535) 62.24,-0.005 v1(64.181,-0.005)
  other v1: 62.6,0 65.9,0
NetVT2_3: VT2.3 XS1.1 XS1.2
  other v1: 62.6,-2.6 65.9,-2.6 64.181,-2.545
OSC_IN: BQ1.1 C1.2 DD1.7 | length 10.5
  Bottom Layer w0.4: C1.2 BQ1.1 32.1,8.1 36.782,3.418 DD1.7
OSC_OUT: BQ1.2 C4.2 DD1.8 | length 10
  Bottom Layer w0.4: DD1.8 41.916,8.5 BQ1.2 C4.2
RESET: C2.1 C5.1 DD1.29 R1.1 SB1.2 XP1.5 | length 57.7
  Top Layer w0.23: v1(37.9,-3.8) 37.9,-1 ; R1.1@40,0.2 cw(c38.8,0.2) 38.8,-1 37.9,-1 ; XP1.5 54.1,6.048 ccw(c51.56,6.048) 53.356,7.844 C2.1 51.1,8.2 47.9,8.2 41.552,8.2 ccw(c41.552,5.66) 39.756,7.456 38.644,6.344 ccw(c40.44,4.548) 37.9,4.548 37.9,-1
  Top Layer w0.4: R1.1@40,0.2 R1.1
  Bottom Layer w0.23: C5.1 cw(c14.2,-5.241) 14.371,-5.071 14.4,-5.1 17.834,-5.1 cw(c17.834,-6.466) 18.8,-5.5 18.882,-5.582 ccw(c21.241,-3.223) 21.241,-6.559 23.732,-6.559 ccw(c23.732,-5.332) 24.6,-6.2 cw(c25.807,-7.407) 25.807,-5.7 32.179,-5.7 ccw(c32.179,-3.16) 33.975,-4.956 DD1.29 35.671,-3.261 cw(c36.3,-3.89) 36.3,-3 cw(c36.3,-4.931) 37.666,-3.566 v1(37.9,-3.8)
SCK: DD1.17 DD2.6 XP1.3 | length 14.2
  Top Layer w0.23: v1(47.479,2.007) 47.479,0.543 47.485,0.537 ccw(c47.537,0.537) 47.5,0.5 DD2.6@47.495,0.5
  Bottom Layer w0.23: DD1.17 cw(c43.617,-2.15) 43.484,-2.016 47.357,1.857 ccw(c47.05,2.164) 47.479,2.093 ccw(c47.05,2.164) v1@47.485,2.164 ; v1(47.479,2.007) 47.555,2.082 47.561,2.088 53.988,2.088 XP1.3
SCL: A1.3 DD1.28 R18.2 | length 22.7
  Top Layer w0.23: A1.3 22.53,1.28 25.609,-1.799 cw(c23.458,-3.95) 26.5,-3.95 v1(26.5,-6.5)
  Bottom Layer w0.23: R18.2 cw(c19.4,2.159) 19.571,2.329 19.6,2.3 19.828,2.3 cw(c19.828,-0.24) 21.624,1.556 A1.3 ; v1(26.5,-6.5) 32.511,-6.5 ccw(c32.511,-3.96) 34.307,-5.756 DD1.28
SDA: A1.4 DD1.27 R19.2 | length 25
  Top Layer w0.23: A1.4 21.9,3.537 25.115,0.322 cw(c19.358,-5.435) 27.5,-5.435 v1(27.5,-7.3)
  Bottom Layer w0.23: A1.4 ccw(c21.948,3.868) 21.948,3.8 R19.2 ; v1(27.5,-7.3) 32.842,-7.3 ccw(c32.842,-4.76) 34.638,-6.556 DD1.27
VBUS: C10.2 C11.1 C14.1 DA1.1 DA1.2 DA1.8 DD3.16 L2.1 XS2.2 XS2.11 | length 17.2
  Top Layer w0.381: XS2.11 7.565,-2.435 7.6,-2.4 ; XS2.2 5.675,2.375 5.7,2.4 6.9,2.4
  Top Layer w0.4: DA1.8@33,-3.6 33.06,-3.66 DA1.8 DA1.1
  Bottom Layer w0.4: C10.2 C14.1 L2.1 v1(12.447,-6.377) ; DD3.16 8.69,-4.576 ccw(c8.724,-4.576) v1(8.7,-4.6)
pads on no net: DD1.10 DD1.11 DD1.13 DD1.19 DD1.22 DD1.25 DD1.26 DD3.4 DD3.9 DD3.10 DD3.11 DD3.12 DD3.14 DD3.15 XS2.0 XS2.3 XS2.9

## Polygon pours and split planes (outlines as drawn)
MCU_GND on Top Layer "NONET_L-01_P-001" (solid, remove dead copper, pour order 6): -1.2,13.8 58.9,13.8 58.9,-8 -1.2,-8
VBUS on Top Layer "NONET_L-01_P-001" (solid, pour order 2): 5.207,2.661 8.1,2.661 8.1,0.997 8.1,-0.403 ccw(c10.519,-0.388) 8.113,-0.64 ccw(c11.961,-0.142) 8.144,-0.837 ccw(c13.144,0.701) 8.223,-1.073 9.105,-2.305 ccw(c10.3,-1.11) 10.3,-2.8 13.648,-2.8 cw(c13.648,-5.339) 15.444,-3.544 19.9,-8 ccw(c21.59,-6.31) 21.59,-8.7 30.034,-8.7 ccw(c30.034,-7.334) 31,-8.3 31.605,-7.695 cw(c32.8,-8.89) 32.8,-7.2 34.2,-7.2 cw(c34.2,-7.7) 34.7,-7.7 34.7,-10.8 14.447,-10.8 cw(c11.82,-2.534) 5.171,-8.105 5.171,-6.059
NetC17_1 on Top Layer "NONET_L-01_P-001" (solid, pour order 3): 35.197,-9.276 35.197,-8.503 cw(c36.583,-8.503) 36.583,-7.117 ccw(c36.583,-6.017) 37.683,-6.017 37.683,-3.517 cw(c38.483,-3.517) 38.483,-2.717 57.083,-2.717 cw(c57.083,-4.217) 58.583,-4.217 58.583,-7.017 cw(c58.283,-7.017) 58.283,-7.317 40.083,-7.317 ccw(c40.083,-9.017) 38.383,-9.017 38.383,-9.317 cw(c37.483,-9.317) 37.483,-10.217 35.583,-10.217 cw(c35.583,-9.817) 35.183,-9.817
NetVT2_3 on Top Layer "NONET_L-01_P-001" (solid, pour order 1): 61.3,-2.297 cw(c62.1,-2.297) 62.1,-1.497 66.2,-1.497 cw(c66.2,-1.997) 66.7,-1.997 66.7,-8.197 cw(c66.1,-8.197) 66.1,-8.797 61.8,-8.797 cw(c61.8,-8.297) 61.3,-8.297
GND on Top Layer "NONET_L-01_P-001" (solid, pour order 0): 0.613,-3.584 cw(c2.408,-5.38) 2.409,-2.84 6.435,-2.84 cw(c6.435,-3.504) 7.099,-3.504 7.099,-7.795 ccw(c8.595,-7.795) 8.594,-9.291 15.1,-9.297 15.22,-9.457 ccw(c18.1,-7.297) 18.1,-10.897 57.5,-10.897 ccw(c57.5,-9.497) 58.9,-9.497 58.9,2.203 cw(c60.4,2.203) 60.4,3.703 66.1,3.703 cw(c66.1,3.103) 66.7,3.103 66.7,2.107 cw(c66.155,2.106) 66.154,1.561 61.858,1.561 ccw(c61.858,0.703) 61,0.703 61,-11.797 cw(c59.706,-11.797) 59.706,-13.091 2.54,-13.097 cw(c2.54,-10.557) 0,-10.557 0,-4.197
MCU_GND on Bottom Layer "NONET_L-01_P-001" (solid, remove dead copper, pour order 5): -1,14.9 -1,-8.717 58.4,-8.717 58.4,14.7

## Keep-outs
Keep-Out Layer:
  lines w0.254: -0.012,10.088 cw(c2.997,10.088) 2.997,13.097 ; -0.009,-10.088 ccw(c3,-10.088) 3,-13.097 63.997,-13.097 ; 0,-10.088 0,10.088 ; 2.997,13.103 63.985,13.103 ; 63.985,13.115 cw(c63.985,10.106) 66.994,10.106 ; 64.003,-13.091 ccw(c64.003,-10.082) 67.012,-10.082 ; 67,-10.082 67,10.106

## Text inside footprints (layer, text, board x,y; h text height)
A1: Top Overlay "SDA" at 20,4.689 h1 r180; Top Overlay "SCL" at 20,1.889 h1 r180; Top Overlay "Vcc" at 19.999,-0.71 h1 r180; Top Overlay "GND" at 20,-3.111 h1 r180
XP1: Bottom Overlay "1" at 53.592,-2.372 h1 r270; Bottom Overlay "2" at 56.132,-2.88 h1 r270; Bottom Overlay "5" at 53.592,6.264 h1 r270; Bottom Overlay "6" at 56.132,6.264 h1 r270